# Altium PCB XTIDA-010086.PcbDoc (part 10 of 17)
Units mm, origin at the board's own origin, x right, y up, seen from the top; angles counter-clockwise.
Board outline 375 x 210 mm, 6 copper layers (Top Layer, GND Layer, Signal Layer 1, Signal Layer 2, Power Layer, Bottom Layer), stack 1.575 mm thick; 1884 components, 1036 nets, 4948 pads, 6791 vias.
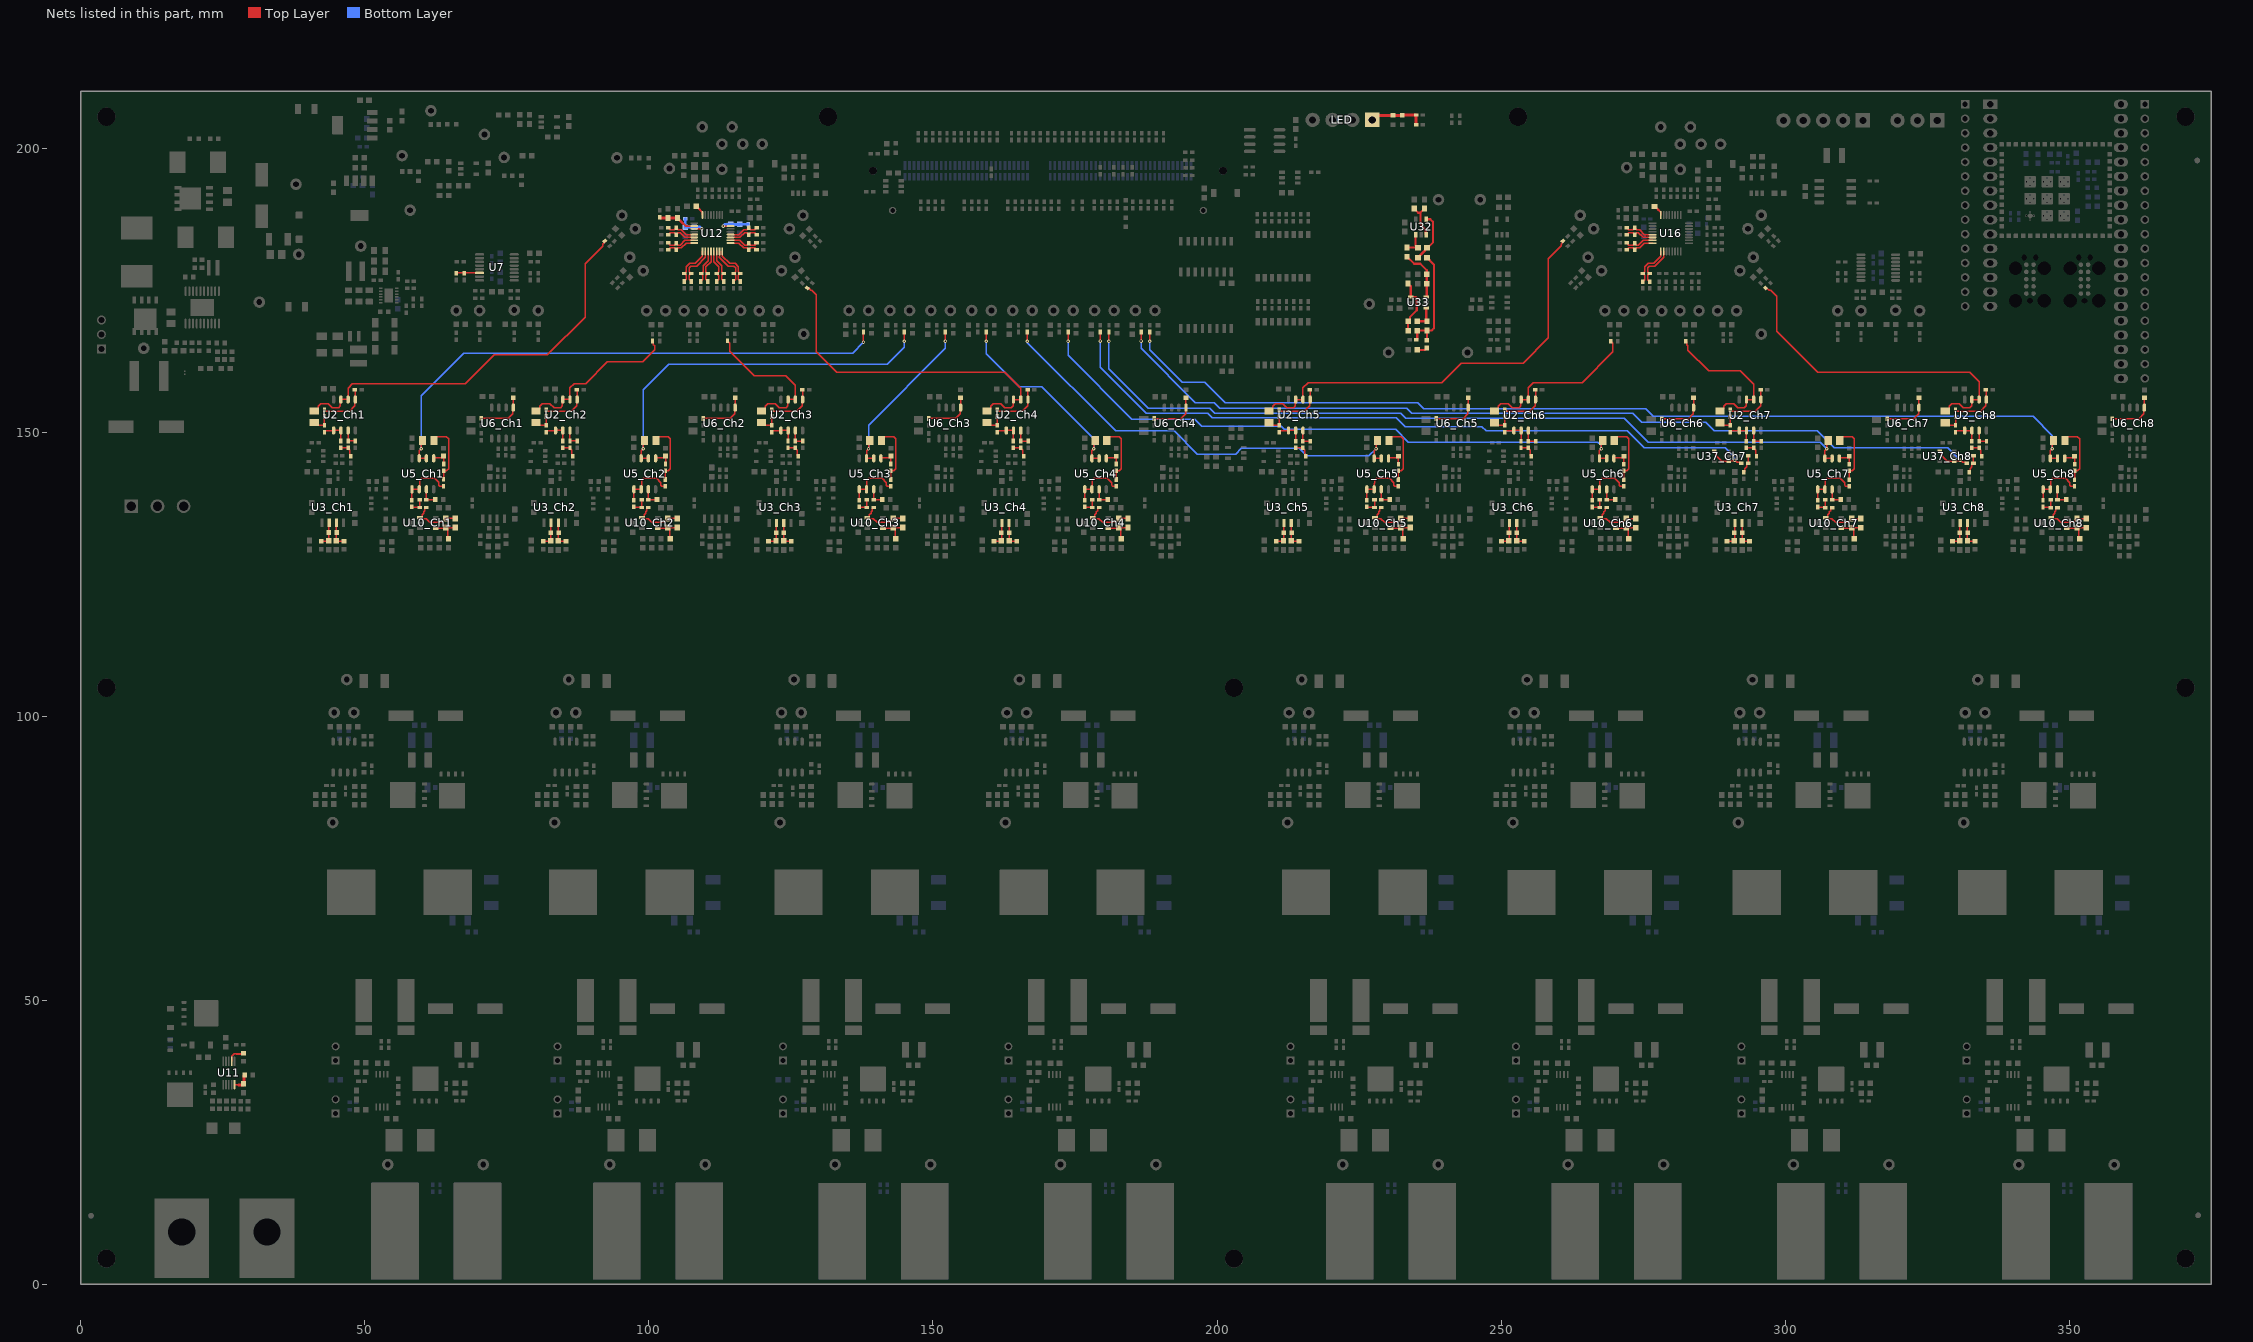
[diagram p14: the nets of this part, all layers, seen from the top]

## Via types
v1: diameter 0.813, hole 0.4, Top Layer to Bottom Layer, tented both sides, 4738 vias
v2: diameter 0.61, hole 0.3, Top Layer to Bottom Layer, tented both sides, 1254 vias
v3: diameter 0.813, hole 0.406, Top Layer to Bottom Layer, 728 vias
v4: diameter 0.5, hole 0.2, Top Layer to Bottom Layer, 40 vias
v5: diameter 5.45, hole 3.556, Top Layer to Bottom Layer, 16 vias
v6: diameter 5/3.65/3.65/3.65/3.65/5 (per signal layer), hole 3.2, Top Layer to Bottom Layer, 12 vias
v7: diameter 0.813, hole 0.4, Top Layer to Bottom Layer, 3 vias

## Nets (pads, with @x,y where several pads share a name; then routed paths per layer and width w, separated by ;. In a path a pad name is that pad's centre, name@x,y a point inside that pad or via, vN(x,y) a via of type N, cw(c..) or ccw(c..) an arc to the next point about the centre after c; other vN are vias at no path point) (continued)
NetC16_Ch7_1: C16_Ch7.1 R31_Ch7.1 U37_Ch7.1 U37_Ch7.4 | length 131.2
  Top Layer w0.254: v2@179.456,166.028 R31_Ch7.1@179.456,167.611 ; U37_Ch7.4@287.558,146.691 287.683,146.691 287.831,146.543 287.831,145.902 288.865,144.869 290.03,144.869 U37_Ch7.1@290.108,144.791 290.256,144.939 290.983,144.939 291.066,145.022 v2(291.163,145.022) 291.259,145.022 291.605,144.676 292.016,144.676 292.189,144.503 C16_Ch7.1@292.289,144.503
  Bottom Layer w0.254: v2(179.429,166.014) 179.429,161.426 187.515,153.34 198.331,153.34 199.119,152.552 231.567,152.552 233.168,150.952 246.601,150.952 247.363,150.19 272.212,150.19 275.185,147.218 289.47,147.218 291.163,145.526 v2(291.163,145.022)
NetC16_Ch7_2: C16_Ch7.2 R34_Ch7.2 R61_Ch7.1 | length 3.3
  Top Layer w0.254: R34_Ch7.2@292.713,142.949 292.886,143.122 292.886,143.542 293.216,143.872 293.216,144.33 293.389,144.503 C16_Ch7.2@293.489,144.503 R61_Ch7.1@293.489,145.839
NetC16_Ch8_1: C16_Ch8.1 R31_Ch8.1 U37_Ch8.1 U37_Ch8.4 | length 161.4
  Top Layer w0.254: v2@186.657,166.028 R31_Ch8.1@186.657,167.611 ; U37_Ch8.4@327.233,146.689 327.358,146.689 327.506,146.541 327.506,145.9 328.539,144.867 329.705,144.867 U37_Ch8.1@329.783,144.789 329.931,144.937 330.658,144.937 330.741,145.02 v2(330.838,145.02) 330.934,145.02 331.28,144.674 331.691,144.674 331.864,144.501 C16_Ch8.1@331.964,144.501
  Bottom Layer w0.254: v2(186.631,166.014) 186.631,164.725 196.181,155.175 199.543,155.175 200.514,154.203 233.436,154.203 234.3,153.34 273.175,153.34 274.776,151.74 286.004,151.74 287.553,150.19 305.664,150.19 308.64,147.214 328.644,147.214 v2(330.838,145.02)
NetC16_Ch8_2: C16_Ch8.2 R34_Ch8.2 R61_Ch8.1 | length 3.3
  Top Layer w0.254: R34_Ch8.2@332.388,142.947 332.561,143.12 332.561,143.54 332.891,143.87 332.891,144.328 333.064,144.501 C16_Ch8.2@333.164,144.501 R61_Ch8.1@333.164,145.837
NetC19_Ch1_1: C19_Ch1.1 C22_Ch1.1 R28_Ch1.2 U3_Ch1.2 | length 4.5
  Top Layer w0.254: C22_Ch1.1@42.332,130.785 42.366,130.82 43.587,130.82 R28_Ch1.2@43.622,130.855 43.673,130.906 43.673,133.96 U3_Ch1.2@43.724,134.011
NetC19_Ch1_2: C19_Ch1.2 C21_Ch1.2 R29_Ch1.2 U3_Ch1.3 | length 4.5
  Top Layer w0.254: U3_Ch1.3@44.994,134.011 R29_Ch1.2@44.994,130.855 45.028,130.82 46.285,130.82 C21_Ch1.2@46.32,130.785
NetC19_Ch2_1: C19_Ch2.1 C22_Ch2.1 R28_Ch2.2 U3_Ch2.2 | length 4.5
  Top Layer w0.254: C22_Ch2.1@81.397,130.783 81.432,130.818 82.652,130.818 R28_Ch2.2@82.687,130.853 82.738,130.904 82.738,133.958 U3_Ch2.2@82.789,134.009
NetC19_Ch2_2: C19_Ch2.2 C21_Ch2.2 R29_Ch2.2 U3_Ch2.3 | length 4.5
  Top Layer w0.254: U3_Ch2.3@84.059,134.009 R29_Ch2.2@84.059,130.853 84.093,130.818 85.35,130.818 C21_Ch2.2@85.385,130.783
NetC19_Ch3_1: C19_Ch3.1 C22_Ch3.1 R28_Ch3.2 U3_Ch3.2 | length 4.5
  Top Layer w0.254: C22_Ch3.1@121.072,130.781 121.106,130.816 122.327,130.816 R28_Ch3.2@122.362,130.851 122.413,130.902 122.413,133.956 U3_Ch3.2@122.464,134.007
NetC19_Ch3_2: C19_Ch3.2 C21_Ch3.2 R29_Ch3.2 U3_Ch3.3 | length 4.5
  Top Layer w0.254: U3_Ch3.3@123.734,134.007 R29_Ch3.2@123.734,130.851 123.768,130.816 125.025,130.816 C21_Ch3.2@125.06,130.781
NetC19_Ch4_1: C19_Ch4.1 C22_Ch4.1 R28_Ch4.2 U3_Ch4.2 | length 4.5
  Top Layer w0.254: C22_Ch4.1@160.747,130.779 160.781,130.814 162.002,130.814 R28_Ch4.2@162.037,130.849 162.088,130.9 162.088,133.954 U3_Ch4.2@162.138,134.005
NetC19_Ch4_2: C19_Ch4.2 C21_Ch4.2 R29_Ch4.2 U3_Ch4.3 | length 4.5
  Top Layer w0.254: U3_Ch4.3@163.408,134.005 R29_Ch4.2@163.408,130.849 163.443,130.814 164.7,130.814 C21_Ch4.2@164.734,130.779
NetC19_Ch5_1: C19_Ch5.1 C22_Ch5.1 R28_Ch5.2 U3_Ch5.2 | length 4.5
  Top Layer w0.254: C22_Ch5.1@210.421,130.777 210.456,130.812 211.677,130.812 R28_Ch5.2@211.712,130.847 211.762,130.898 211.762,133.952 U3_Ch5.2@211.813,134.003
NetC19_Ch5_2: C19_Ch5.2 C21_Ch5.2 R29_Ch5.2 U3_Ch5.3 | length 4.5
  Top Layer w0.254: U3_Ch5.3@213.083,134.003 R29_Ch5.2@213.083,130.847 213.118,130.812 214.374,130.812 C21_Ch5.2@214.409,130.777
NetC19_Ch6_1: C19_Ch6.1 C22_Ch6.1 R28_Ch6.2 U3_Ch6.2 | length 4.5
  Top Layer w0.254: C22_Ch6.1@250.096,130.775 250.131,130.81 251.352,130.81 R28_Ch6.2@251.386,130.845 251.437,130.896 251.437,133.95 U3_Ch6.2@251.488,134.001
NetC19_Ch6_2: C19_Ch6.2 C21_Ch6.2 R29_Ch6.2 U3_Ch6.3 | length 4.5
  Top Layer w0.254: U3_Ch6.3@252.758,134.001 R29_Ch6.2@252.758,130.845 252.793,130.81 254.049,130.81 C21_Ch6.2@254.084,130.775
NetC19_Ch7_1: C19_Ch7.1 C22_Ch7.1 R28_Ch7.2 U3_Ch7.2 | length 4.5
  Top Layer w0.254: C22_Ch7.1@289.771,130.773 289.806,130.808 291.026,130.808 R28_Ch7.2@291.061,130.843 291.112,130.894 291.112,133.948 U3_Ch7.2@291.163,133.999
NetC19_Ch7_2: C19_Ch7.2 C21_Ch7.2 R29_Ch7.2 U3_Ch7.3 | length 4.5
  Top Layer w0.254: U3_Ch7.3@292.433,133.999 R29_Ch7.2@292.433,130.843 292.467,130.808 293.724,130.808 C21_Ch7.2@293.759,130.773
NetC19_Ch8_1: C19_Ch8.1 C22_Ch8.1 R28_Ch8.2 U3_Ch8.2 | length 4.5
  Top Layer w0.254: C22_Ch8.1@329.446,130.771 329.48,130.806 330.701,130.806 R28_Ch8.2@330.736,130.841 330.787,130.892 330.787,133.946 U3_Ch8.2@330.838,133.997
NetC19_Ch8_2: C19_Ch8.2 C21_Ch8.2 R29_Ch8.2 U3_Ch8.3 | length 4.5
  Top Layer w0.254: U3_Ch8.3@332.108,133.997 R29_Ch8.2@332.108,130.841 332.142,130.806 333.399,130.806 C21_Ch8.2@333.434,130.771
NetC26_Ch1_1: C26_Ch1.1 R33_Ch1.2 U2_Ch1.5 | length 8.8
  Top Layer w0.254: R33_Ch1.2@42.887,153.94 42.887,153.868 43.06,153.695 47.3,153.695 48.242,154.637 48.242,155.668 U2_Ch1.5@48.308,155.735 48.308,157.38 C26_Ch1.1@48.243,157.445
NetC26_Ch2_1: C26_Ch2.1 R33_Ch2.2 U2_Ch2.5 | length 8.8
  Top Layer w0.254: R33_Ch2.2@81.952,153.938 81.952,153.866 82.125,153.693 86.366,153.693 87.307,154.635 87.307,155.666 U2_Ch2.5@87.374,155.733 87.374,157.378 C26_Ch2.1@87.308,157.443
NetC26_Ch3_1: C26_Ch3.1 R33_Ch3.2 U2_Ch3.5 | length 8.8
  Top Layer w0.254: R33_Ch3.2@121.627,153.936 121.627,153.864 121.8,153.691 126.04,153.691 126.982,154.633 126.982,155.664 U2_Ch3.5@127.048,155.731 127.048,157.376 C26_Ch3.1@126.983,157.441
NetC26_Ch4_1: C26_Ch4.1 R33_Ch4.2 U2_Ch4.5 | length 8.8
  Top Layer w0.254: R33_Ch4.2@161.301,153.934 161.301,153.862 161.474,153.689 165.715,153.689 166.657,154.631 166.657,155.662 U2_Ch4.5@166.723,155.729 166.723,157.374 C26_Ch4.1@166.658,157.439
NetC26_Ch5_1: C26_Ch5.1 R33_Ch5.2 U2_Ch5.5 | length 8.8
  Top Layer w0.254: R33_Ch5.2@210.976,153.932 210.976,153.86 211.149,153.687 215.39,153.687 216.332,154.629 216.332,155.66 U2_Ch5.5@216.398,155.727 216.398,157.372 C26_Ch5.1@216.333,157.437
NetC26_Ch6_1: C26_Ch6.1 R33_Ch6.2 U2_Ch6.5 | length 8.8
  Top Layer w0.254: R33_Ch6.2@250.651,153.93 250.651,153.858 250.824,153.685 255.065,153.685 256.007,154.627 256.007,155.658 U2_Ch6.5@256.073,155.725 256.073,157.37 C26_Ch6.1@256.007,157.435
NetC26_Ch7_1: C26_Ch7.1 R33_Ch7.2 U2_Ch7.5 | length 8.8
  Top Layer w0.254: R33_Ch7.2@290.326,153.928 290.326,153.856 290.499,153.683 294.74,153.683 295.681,154.625 295.681,155.656 U2_Ch7.5@295.748,155.723 295.748,157.368 C26_Ch7.1@295.682,157.433
NetC26_Ch8_1: C26_Ch8.1 R33_Ch8.2 U2_Ch8.5 | length 8.8
  Top Layer w0.254: R33_Ch8.2@330.001,153.926 330.001,153.854 330.174,153.681 334.414,153.681 335.356,154.623 335.356,155.654 U2_Ch8.5@335.422,155.721 335.422,157.366 C26_Ch8.1@335.357,157.431
NetC27_Ch1_1: C27_Ch1.1 R37_Ch1.2 U2_Ch1.3 | length 3.2
  Top Layer w0.254: U2_Ch1.3@47.038,150.285 R37_Ch1.2@47.038,148.428 C27_Ch1.1@48.335,148.428
NetC27_Ch2_1: C27_Ch2.1 R37_Ch2.2 U2_Ch2.3 | length 3.2
  Top Layer w0.254: U2_Ch2.3@86.104,150.283 R37_Ch2.2@86.104,148.426 C27_Ch2.1@87.4,148.426
NetC27_Ch3_1: C27_Ch3.1 R37_Ch3.2 U2_Ch3.3 | length 3.2
  Top Layer w0.254: U2_Ch3.3@125.778,150.281 R37_Ch3.2@125.778,148.424 C27_Ch3.1@127.075,148.424
NetC27_Ch4_1: C27_Ch4.1 R37_Ch4.2 U2_Ch4.3 | length 3.2
  Top Layer w0.254: U2_Ch4.3@165.453,150.279 R37_Ch4.2@165.453,148.422 C27_Ch4.1@166.75,148.422
NetC27_Ch5_1: C27_Ch5.1 R37_Ch5.2 U2_Ch5.3 | length 3.2
  Top Layer w0.254: U2_Ch5.3@215.128,150.277 R37_Ch5.2@215.128,148.42 C27_Ch5.1@216.425,148.42
NetC27_Ch6_1: C27_Ch6.1 R37_Ch6.2 U2_Ch6.3 | length 3.2
  Top Layer w0.254: U2_Ch6.3@254.803,150.275 R37_Ch6.2@254.803,148.418 C27_Ch6.1@256.099,148.418
NetC27_Ch7_1: C27_Ch7.1 R37_Ch7.2 U2_Ch7.3 | length 3.2
  Top Layer w0.254: U2_Ch7.3@294.478,150.273 R37_Ch7.2@294.478,148.416 C27_Ch7.1@295.774,148.416
NetC27_Ch8_1: C27_Ch8.1 R37_Ch8.2 U2_Ch8.3 | length 3.2
  Top Layer w0.254: U2_Ch8.3@334.152,150.271 R37_Ch8.2@334.152,148.414 C27_Ch8.1@335.449,148.414
NetC32_2: C32.2 C34.2 LED.1 R164.2 R165.2 | length 9.8
  Top Layer w0.541: LED.1@227.33,204.94 228.12,205.73 C34.2@230.978,205.73 C32.2@232.597,205.73 232.648,205.782 235.005,205.782 R165.2@235.034,205.811 R164.2@235.034,204.115
NetC33_Ch1_1: C33_Ch1.1 R32_Ch1.1 U2_Ch1.1 U2_Ch1.2 | length 4.9
  Top Layer w0.254: R32_Ch1.1@42.887,149.971 42.887,150.071 43.06,150.244 44.458,150.244 U2_Ch1.1@44.498,150.285 U2_Ch1.2@45.768,150.285 45.757,150.274 45.757,148.439 C33_Ch1.1@45.746,148.428
NetC33_Ch1_2: C33_Ch1.2 R35_Ch1.2 R37_Ch1.1 | length 3
  Top Layer w0.254: C33_Ch1.2@45.746,147.228 R37_Ch1.1@47.038,147.228 47.038,147.128 47.357,146.81 47.357,145.926 R35_Ch1.2@47.53,145.753
NetC33_Ch2_1: C33_Ch2.1 R32_Ch2.1 U2_Ch2.1 U2_Ch2.2 | length 4.9
  Top Layer w0.254: R32_Ch2.1@81.952,149.969 81.952,150.069 82.125,150.242 83.523,150.242 U2_Ch2.1@83.564,150.283 U2_Ch2.2@84.834,150.283 84.823,150.272 84.823,148.437 C33_Ch2.1@84.811,148.426
NetC33_Ch2_2: C33_Ch2.2 R35_Ch2.2 R37_Ch2.1 | length 3
  Top Layer w0.254: C33_Ch2.2@84.811,147.226 R37_Ch2.1@86.104,147.226 86.104,147.126 86.422,146.808 86.422,145.924 R35_Ch2.2@86.595,145.751
NetC33_Ch3_1: C33_Ch3.1 R32_Ch3.1 U2_Ch3.1 U2_Ch3.2 | length 4.9
  Top Layer w0.254: R32_Ch3.1@121.627,149.967 121.627,150.067 121.8,150.24 123.198,150.24 U2_Ch3.1@123.238,150.281 U2_Ch3.2@124.508,150.281 124.497,150.27 124.497,148.435 C33_Ch3.1@124.486,148.424
NetC33_Ch3_2: C33_Ch3.2 R35_Ch3.2 R37_Ch3.1 | length 3
  Top Layer w0.254: C33_Ch3.2@124.486,147.224 R37_Ch3.1@125.778,147.224 125.778,147.124 126.097,146.806 126.097,145.922 R35_Ch3.2@126.27,145.749
NetC33_Ch4_1: C33_Ch4.1 R32_Ch4.1 U2_Ch4.1 U2_Ch4.2 | length 4.9
  Top Layer w0.254: R32_Ch4.1@161.301,149.965 161.301,150.065 161.474,150.238 162.873,150.238 U2_Ch4.1@162.913,150.279 U2_Ch4.2@164.183,150.279 164.172,150.268 164.172,148.433 C33_Ch4.1@164.161,148.422
NetC33_Ch4_2: C33_Ch4.2 R35_Ch4.2 R37_Ch4.1 | length 3
  Top Layer w0.254: C33_Ch4.2@164.161,147.222 R37_Ch4.1@165.453,147.222 165.453,147.122 165.771,146.804 165.771,145.92 R35_Ch4.2@165.944,145.747
NetC33_Ch5_1: C33_Ch5.1 R32_Ch5.1 U2_Ch5.1 U2_Ch5.2 | length 4.9
  Top Layer w0.254: R32_Ch5.1@210.976,149.963 210.976,150.063 211.149,150.236 212.548,150.236 U2_Ch5.1@212.588,150.277 U2_Ch5.2@213.858,150.277 213.847,150.266 213.847,148.431 C33_Ch5.1@213.836,148.42
NetC33_Ch5_2: C33_Ch5.2 R35_Ch5.2 R37_Ch5.1 | length 3
  Top Layer w0.254: C33_Ch5.2@213.836,147.22 R37_Ch5.1@215.128,147.22 215.128,147.12 215.446,146.802 215.446,145.918 R35_Ch5.2@215.619,145.745
NetC33_Ch6_1: C33_Ch6.1 R32_Ch6.1 U2_Ch6.1 U2_Ch6.2 | length 4.9
  Top Layer w0.254: R32_Ch6.1@250.651,149.961 250.651,150.061 250.824,150.234 252.222,150.234 U2_Ch6.1@252.263,150.275 U2_Ch6.2@253.533,150.275 253.522,150.264 253.522,148.429 C33_Ch6.1@253.511,148.418
NetC33_Ch6_2: C33_Ch6.2 R35_Ch6.2 R37_Ch6.1 | length 3
  Top Layer w0.254: C33_Ch6.2@253.511,147.218 R37_Ch6.1@254.803,147.218 254.803,147.118 255.121,146.8 255.121,145.916 R35_Ch6.2@255.294,145.743
NetC33_Ch7_1: C33_Ch7.1 R32_Ch7.1 U2_Ch7.1 U2_Ch7.2 | length 4.9
  Top Layer w0.254: R32_Ch7.1@290.326,149.959 290.326,150.059 290.499,150.232 291.897,150.232 U2_Ch7.1@291.938,150.273 U2_Ch7.2@293.208,150.273 293.197,150.262 293.197,148.427 C33_Ch7.1@293.185,148.416
NetC33_Ch7_2: C33_Ch7.2 R35_Ch7.2 R37_Ch7.1 | length 3
  Top Layer w0.254: C33_Ch7.2@293.185,147.216 R37_Ch7.1@294.478,147.216 294.478,147.116 294.796,146.798 294.796,145.914 R35_Ch7.2@294.969,145.741
NetC33_Ch8_1: C33_Ch8.1 R32_Ch8.1 U2_Ch8.1 U2_Ch8.2 | length 4.9
  Top Layer w0.254: R32_Ch8.1@330.001,149.957 330.001,150.057 330.174,150.23 331.572,150.23 U2_Ch8.1@331.612,150.271 U2_Ch8.2@332.882,150.271 332.871,150.26 332.871,148.425 C33_Ch8.1@332.86,148.414
NetC33_Ch8_2: C33_Ch8.2 R35_Ch8.2 R37_Ch8.1 | length 3
  Top Layer w0.254: C33_Ch8.2@332.86,147.214 R37_Ch8.1@334.152,147.214 334.152,147.114 334.471,146.796 334.471,145.912 R35_Ch8.2@334.644,145.739
NetC35_Ch1_1: C35_Ch1.1 R36_Ch1.1 U2_Ch1.6 U2_Ch1.7 | length 72
  Top Layer w0.254: C35_Ch1.1@41.082,153.695 41.247,153.695 41.755,154.203 41.755,154.582 42.189,155.016 43.51,155.016 44.229,154.297 45.396,154.297 45.702,154.603 45.702,155.668 U2_Ch1.7@45.768,155.735 U2_Ch1.6@47.038,155.735 47.038,157.742 47.768,158.472 67.688,158.472 72.793,163.577 82.145,163.577 88.772,170.204 88.772,179.626 91.883,182.738 91.883,183.068 92.199,183.384 R36_Ch1.1@92.199,183.628
NetC35_Ch1_2: C35_Ch1.2 R32_Ch1.2 R33_Ch1.1 | length 3.6
  Top Layer w0.254: C35_Ch1.2@41.082,151.663 41.574,151.171 R32_Ch1.2@42.887,151.171 R33_Ch1.1@42.887,152.74
NetC35_Ch2_1: C35_Ch2.1 R36_Ch2.1 U2_Ch2.6 U2_Ch2.7 | length 29.7
  Top Layer w0.254: C35_Ch2.1@80.147,153.693 80.312,153.693 80.82,154.201 80.82,154.58 81.255,155.014 82.575,155.014 83.294,154.295 84.462,154.295 84.767,154.601 84.767,155.666 U2_Ch2.7@84.834,155.733 U2_Ch2.6@86.104,155.733 86.104,157.808 86.817,158.521 88.847,158.521 92.682,162.357 98.899,162.357 101.028,164.486 101.028,165.172 100.801,165.399 100.801,165.852 R36_Ch2.1@100.628,166.025
NetC35_Ch2_2: C35_Ch2.2 R32_Ch2.2 R33_Ch2.1 | length 3.6
  Top Layer w0.254: C35_Ch2.2@80.147,151.661 80.639,151.169 R32_Ch2.2@81.952,151.169 R33_Ch2.1@81.952,152.738
NetC35_Ch3_1: C35_Ch3.1 R36_Ch3.1 U2_Ch3.6 U2_Ch3.7 | length 26.7
  Top Layer w0.254: R36_Ch3.1@113.833,166.025 114.201,165.657 114.201,164.244 118.552,159.893 124.085,159.893 125.778,158.2 U2_Ch3.6@125.778,155.731 U2_Ch3.7@124.508,155.731 124.442,155.664 124.442,154.599 124.136,154.293 122.969,154.293 122.25,155.012 120.929,155.012 120.495,154.578 120.495,154.199 119.987,153.691 C35_Ch3.1@119.822,153.691
NetC35_Ch3_2: C35_Ch3.2 R32_Ch3.2 R33_Ch3.1 | length 3.6
  Top Layer w0.254: C35_Ch3.2@119.822,151.659 120.314,151.167 R32_Ch3.2@121.627,151.167 R33_Ch3.1@121.627,152.736
NetC35_Ch4_1: C35_Ch4.1 R36_Ch4.1 U2_Ch4.6 U2_Ch4.7 | length 61
  Top Layer w0.254: R36_Ch4.1@127.853,175.359 128.098,175.359 128.473,174.984 128.684,174.984 129.458,174.211 129.458,164.144 133.074,160.528 162.617,160.528 165.453,157.692 U2_Ch4.6@165.453,155.729 U2_Ch4.7@164.183,155.729 164.117,155.662 164.117,154.597 163.811,154.291 162.644,154.291 161.925,155.01 160.604,155.01 160.17,154.576 160.17,154.197 159.662,153.689 C35_Ch4.1@159.497,153.689
NetC35_Ch4_2: C35_Ch4.2 R32_Ch4.2 R33_Ch4.1 | length 3.6
  Top Layer w0.254: C35_Ch4.2@159.497,151.657 159.989,151.165 R32_Ch4.2@161.301,151.165 R33_Ch4.1@161.301,152.734
NetC35_Ch5_1: C35_Ch5.1 R36_Ch5.1 U2_Ch5.6 U2_Ch5.7 | length 75.3
  Top Layer w0.254: C35_Ch5.1@209.171,153.687 209.337,153.687 209.845,154.195 209.845,154.574 210.279,155.008 211.6,155.008 212.319,154.289 213.486,154.289 213.792,154.595 213.792,155.66 U2_Ch5.7@213.858,155.727 U2_Ch5.6@215.128,155.727 215.128,157.8 216.027,158.699 239.52,158.699 242.975,162.154 253.909,162.154 258.343,166.588 258.343,180.544 260.556,182.757 260.556,183.053 260.898,183.396 R36_Ch5.1@260.898,183.62
NetC35_Ch5_2: C35_Ch5.2 R32_Ch5.2 R33_Ch5.1 | length 3.6
  Top Layer w0.254: C35_Ch5.2@209.171,151.655 209.664,151.163 R32_Ch5.2@210.976,151.163 R33_Ch5.1@210.976,152.732
NetC35_Ch6_1: C35_Ch6.1 R36_Ch6.1 U2_Ch6.6 U2_Ch6.7 | length 29.9
  Top Layer w0.254: C35_Ch6.1@248.846,153.685 249.011,153.685 249.519,154.193 249.519,154.572 249.954,155.006 251.275,155.006 251.993,154.287 253.161,154.287 253.467,154.593 253.467,155.658 U2_Ch6.7@253.533,155.725 U2_Ch6.6@254.803,155.725 254.803,157.798 255.702,158.697 264.291,158.697 269.696,164.102 269.696,165.649 R36_Ch6.1@269.328,166.017
NetC35_Ch6_2: C35_Ch6.2 R32_Ch6.2 R33_Ch6.1 | length 3.6
  Top Layer w0.254: C35_Ch6.2@248.846,151.653 249.338,151.161 R32_Ch6.2@250.651,151.161 R33_Ch6.1@250.651,152.73
NetC35_Ch7_1: C35_Ch7.1 R36_Ch7.1 U2_Ch7.6 U2_Ch7.7 | length 26.7
  Top Layer w0.254: R36_Ch7.1@282.532,166.017 282.705,165.844 282.705,165.351 282.892,165.164 282.892,164.426 286.536,160.782 292.104,160.782 294.478,158.408 U2_Ch7.6@294.478,155.723 U2_Ch7.7@293.208,155.723 293.141,155.656 293.141,154.591 292.836,154.285 291.668,154.285 290.949,155.004 289.629,155.004 289.194,154.57 289.194,154.191 288.686,153.683 C35_Ch7.1@288.521,153.683
NetC35_Ch7_2: C35_Ch7.2 R32_Ch7.2 R33_Ch7.1 | length 3.6
  Top Layer w0.254: C35_Ch7.2@288.521,151.651 289.013,151.159 R32_Ch7.2@290.326,151.159 R33_Ch7.1@290.326,152.728
NetC35_Ch8_1: C35_Ch8.1 R36_Ch8.1 U2_Ch8.6 U2_Ch8.7 | length 59.4
  Top Layer w0.254: R36_Ch8.1@296.552,175.351 296.797,175.351 297.207,174.942 297.483,174.942 298.558,173.867 298.558,167.755 305.748,160.564 332.48,160.564 334.152,158.892 U2_Ch8.6@334.152,155.721 U2_Ch8.7@332.882,155.721 332.816,155.654 332.816,154.589 332.51,154.283 331.343,154.283 330.624,155.002 329.303,155.002 328.869,154.568 328.869,154.189 328.361,153.681 C35_Ch8.1@328.196,153.681
NetC35_Ch8_2: C35_Ch8.2 R32_Ch8.2 R33_Ch8.1 | length 3.6
  Top Layer w0.254: C35_Ch8.2@328.196,151.649 328.688,151.157 R32_Ch8.2@330.001,151.157 R33_Ch8.1@330.001,152.726
NetC38_Ch1_2: C38_Ch1.2 R38_Ch1.2 U5_Ch1.5 | length 3.3
  Top Layer w0.254: U5_Ch1.5@62.103,145.377 62.237,145.511 63.584,145.511 C38_Ch1.2@63.857,145.784 R38_Ch1.2@63.857,144.379
NetC38_Ch2_2: C38_Ch2.2 R38_Ch2.2 U5_Ch2.5 | length 3.3
  Top Layer w0.254: U5_Ch2.5@101.168,145.375 101.303,145.509 102.649,145.509 C38_Ch2.2@102.922,145.782 R38_Ch2.2@102.922,144.377
NetC38_Ch3_2: C38_Ch3.2 R38_Ch3.2 U5_Ch3.5 | length 3.3
  Top Layer w0.254: U5_Ch3.5@140.843,145.373 140.977,145.507 142.324,145.507 C38_Ch3.2@142.597,145.78 R38_Ch3.2@142.597,144.375
NetC38_Ch4_2: C38_Ch4.2 R38_Ch4.2 U5_Ch4.5 | length 3.3
  Top Layer w0.254: U5_Ch4.5@180.518,145.371 180.652,145.505 181.999,145.505 C38_Ch4.2@182.272,145.778 R38_Ch4.2@182.272,144.373
NetC38_Ch5_2: C38_Ch5.2 R38_Ch5.2 U5_Ch5.5 | length 3.3
  Top Layer w0.254: U5_Ch5.5@230.193,145.369 230.327,145.503 231.674,145.503 C38_Ch5.2@231.947,145.776 R38_Ch5.2@231.947,144.371
NetC38_Ch6_2: C38_Ch6.2 R38_Ch6.2 U5_Ch6.5 | length 3.3
  Top Layer w0.254: U5_Ch6.5@269.867,145.367 270.002,145.501 271.349,145.501 C38_Ch6.2@271.622,145.774 R38_Ch6.2@271.622,144.369
NetC38_Ch7_2: C38_Ch7.2 R38_Ch7.2 U5_Ch7.5 | length 3.3
  Top Layer w0.254: U5_Ch7.5@309.542,145.365 309.677,145.499 311.023,145.499 C38_Ch7.2@311.296,145.772 R38_Ch7.2@311.296,144.367
NetC38_Ch8_2: C38_Ch8.2 R38_Ch8.2 U5_Ch8.5 | length 3.3
  Top Layer w0.254: U5_Ch8.5@349.217,145.363 349.351,145.497 350.698,145.497 C38_Ch8.2@350.971,145.77 R38_Ch8.2@350.971,144.365
NetC39_Ch1_2: C39_Ch1.2 R71_Ch1.2 U6_Ch1.5 | length 8.7
  Top Layer w0.254: R71_Ch1.2@70.51,152.39 75.243,152.39 76.058,153.205 76.058,154.246 U6_Ch1.5@76.124,154.312 C39_Ch1.2@76.124,156.018
NetC39_Ch2_2: C39_Ch2.2 R71_Ch2.2 U6_Ch2.5 | length 8.7
  Top Layer w0.254: R71_Ch2.2@109.576,152.388 114.308,152.388 115.123,153.203 115.123,154.244 U6_Ch2.5@115.189,154.31 C39_Ch2.2@115.189,156.016
NetC39_Ch3_2: C39_Ch3.2 R71_Ch3.2 U6_Ch3.5 | length 8.7
  Top Layer w0.254: R71_Ch3.2@149.25,152.386 153.983,152.386 154.798,153.201 154.798,154.242 U6_Ch3.5@154.864,154.308 C39_Ch3.2@154.864,156.014
NetC39_Ch4_2: C39_Ch4.2 R71_Ch4.2 U6_Ch4.5 | length 8.7
  Top Layer w0.254: R71_Ch4.2@188.925,152.384 193.658,152.384 194.472,153.199 194.472,154.24 U6_Ch4.5@194.539,154.306 C39_Ch4.2@194.539,156.012
NetC39_Ch5_2: C39_Ch5.2 R71_Ch5.2 U6_Ch5.5 | length 8.7
  Top Layer w0.254: R71_Ch5.2@238.6,152.382 243.333,152.382 244.147,153.197 244.147,154.238 U6_Ch5.5@244.213,154.304 C39_Ch5.2@244.213,156.01
NetC39_Ch6_2: C39_Ch6.2 R71_Ch6.2 U6_Ch6.5 | length 8.7
  Top Layer w0.254: R71_Ch6.2@278.275,152.38 283.007,152.38 283.822,153.195 283.822,154.236 U6_Ch6.5@283.888,154.302 C39_Ch6.2@283.888,156.008
NetC39_Ch7_2: C39_Ch7.2 R71_Ch7.2 U6_Ch7.5 | length 8.7
  Top Layer w0.254: R71_Ch7.2@317.95,152.378 322.682,152.378 323.497,153.193 323.497,154.234 U6_Ch7.5@323.563,154.3 C39_Ch7.2@323.563,156.006
NetC39_Ch8_2: C39_Ch8.2 R71_Ch8.2 U6_Ch8.5 | length 8.7